# KiCad board EBAZ4205.kicad_pcb (continued)
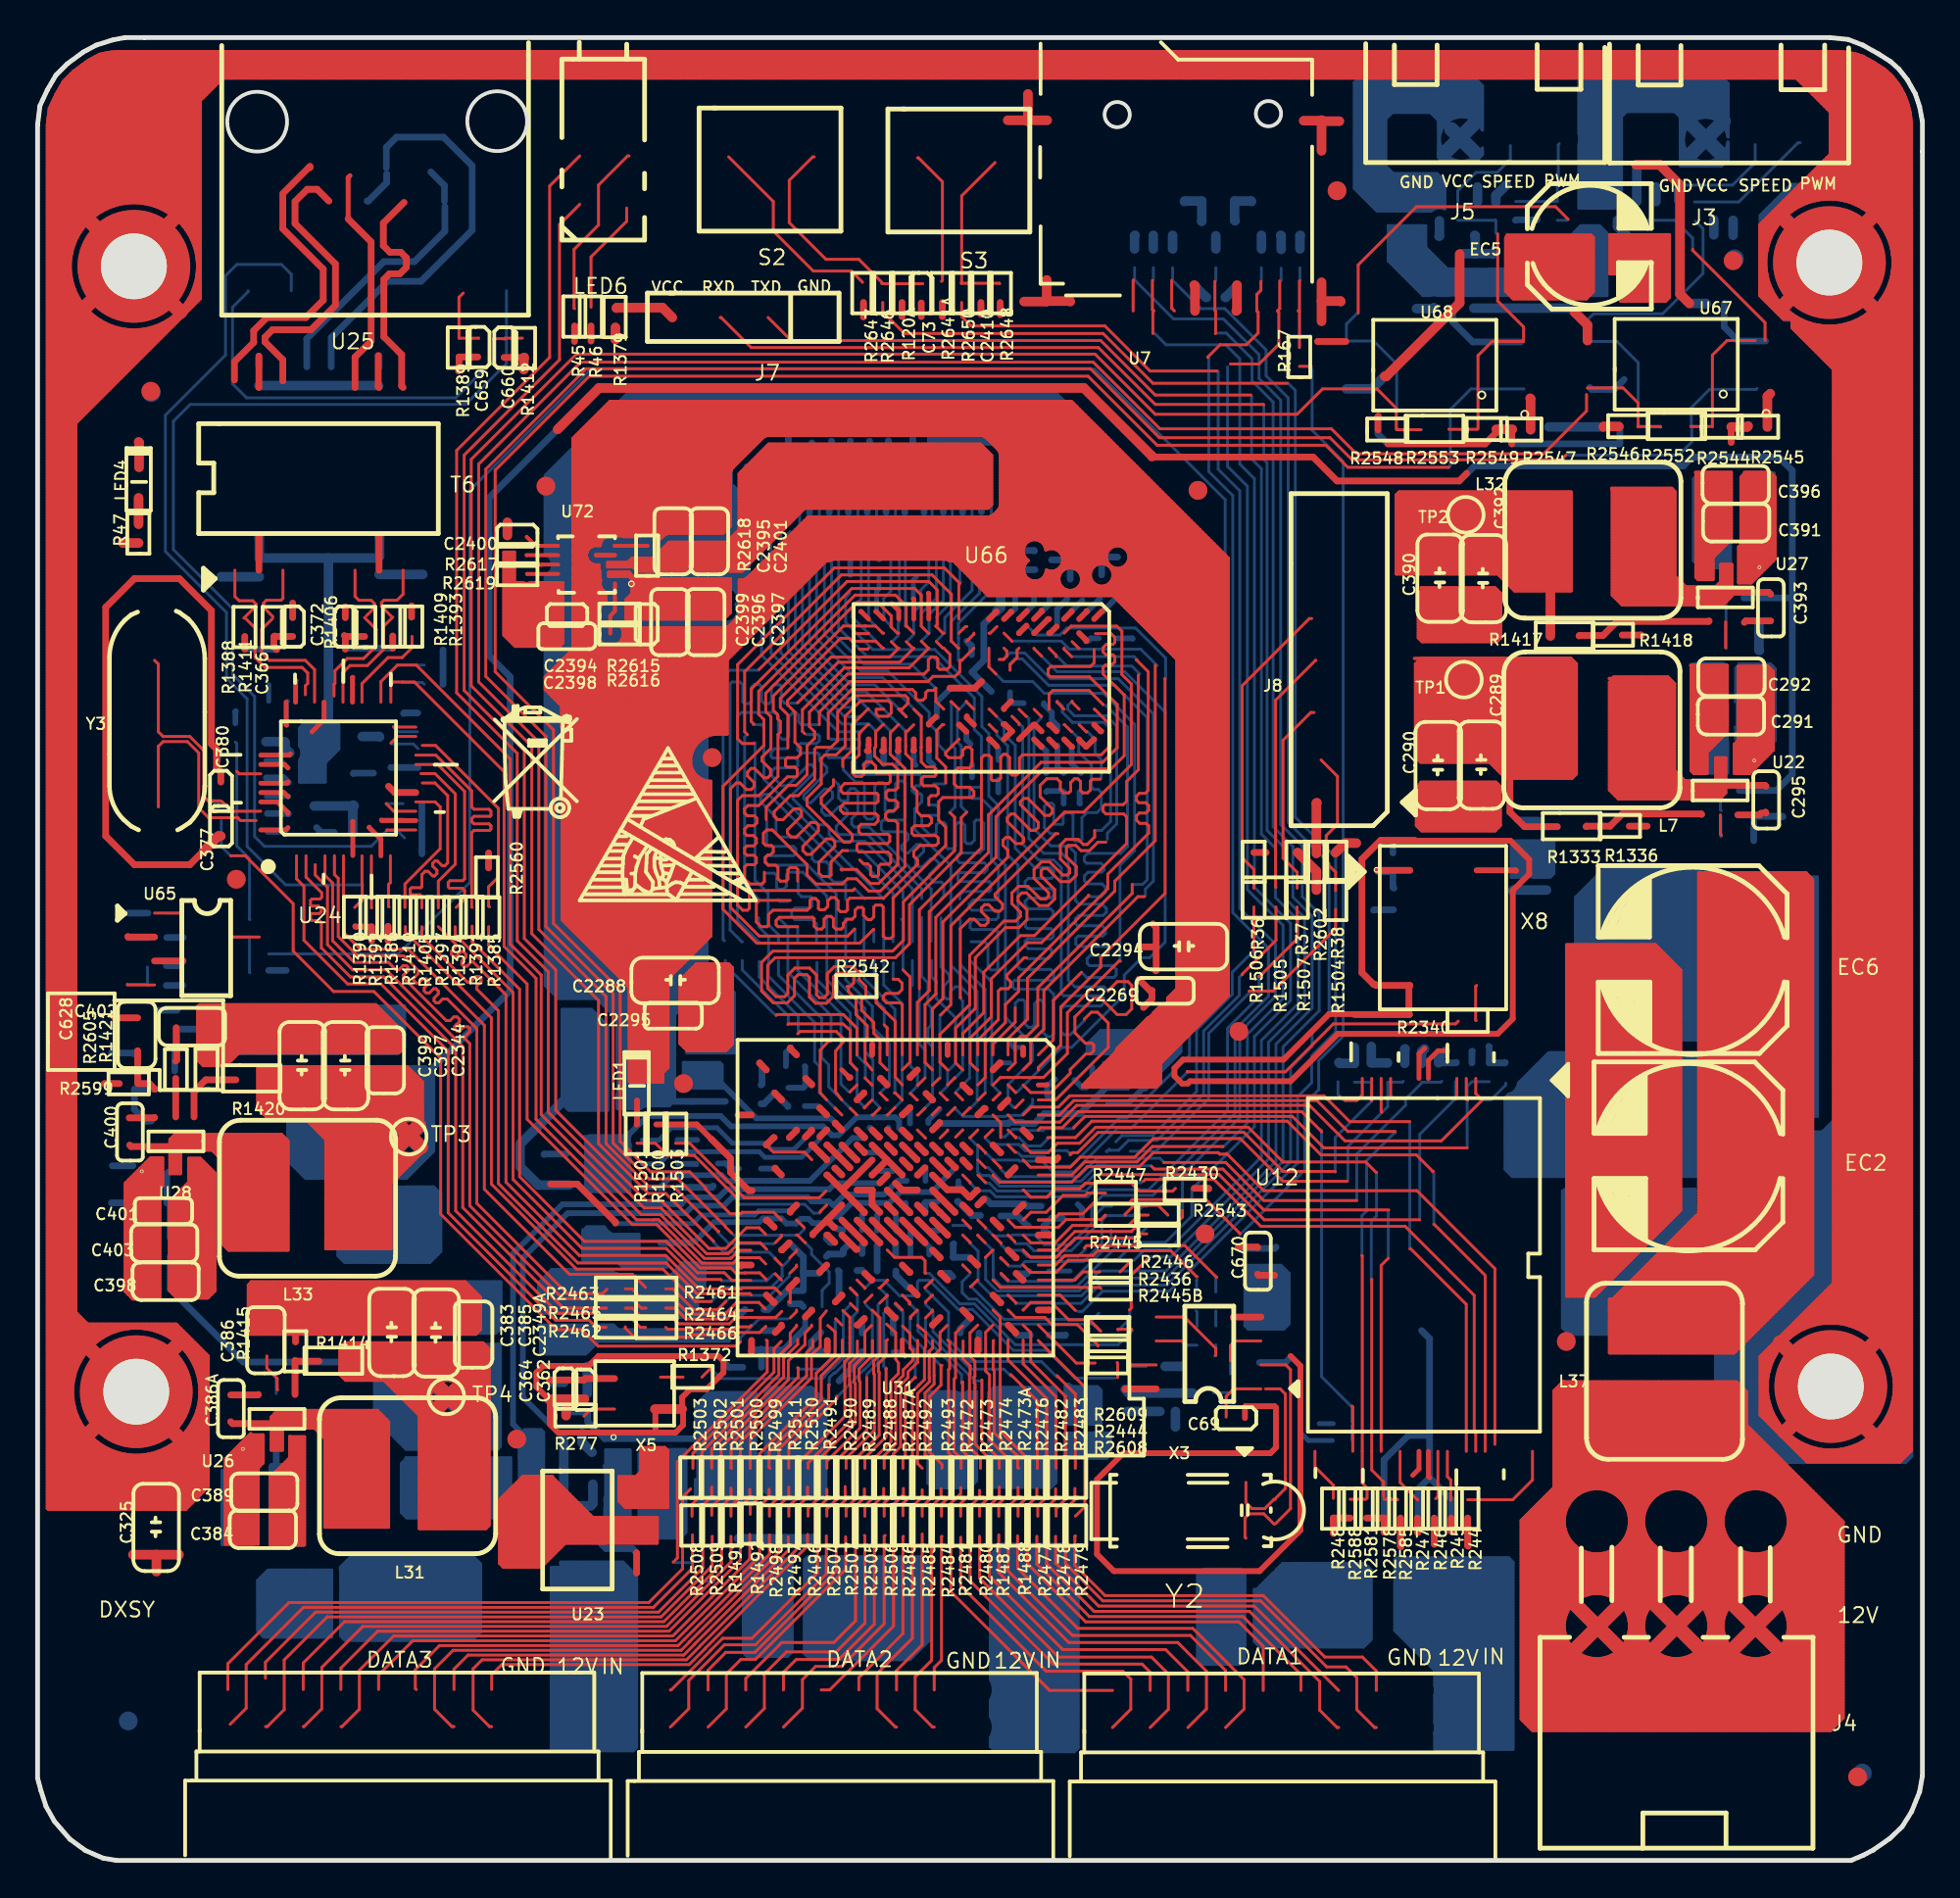
[diagram p0: board, top side]
## Routing (per net, layer and track width the routed paths; a pad name or vN(x,y) marks a point on that pad's centre or on a via; arc(x,y) is an arc through that point) (continued)
; 84.5,75.71 89.81,75.71 ; 71.98,75.77 71.98,78.72 ; 67.51,15.51 79.62,15.51 ; 36.67,88.97 36.67,89.7 ; 46.2,9.86 46.2,26.46 ; 48.52,26.31 57.71,26.31 ; 36.04,24.8 36.04,25.87 ; 36.8,88.74 36.8,89.7 ; 15.59,76.56 15.59,87.4 ; 34.68,81.94 35.42,81.94 ; 54.2,62.09 54.2,63.68 ; 53.94,65.97 53.94,68.83 ; 35.28,89.56 35.28,96.12 ; 26.86,19.58 33.02,19.58 ; 19.02,8.78 19.28,8.78 ; 59.66,0.53 59.66,6.27 ; 44.17,7.9 44.17,8.27 ; 18.77,88.75 18.77,89.2 ; 46.83,32.93 46.83,34.33 ; 83.92,37.6 83.92,52.3 ; 51.91,24.16 51.91,24.54 ; 9.24,56.73 9.24,70.75 ; 47.58,56.54 67.18,56.54 ; 15.06,7.01 15.22,7.01 ; 24.35,0.54 24.35,6.22 ; 43.28,54.1 43.28,61.02 ; 2.9,44.34 35.12,44.34 ; 17.88,90.73 17.88,96.32 ; 6.45,29.37 6.45,40.71 ; 9.62,9.88 9.62,18.37 ; 13.65,56.41 18.19,56.41 ; 60.1,9.29 60.32,9.29 ; 44.55,38.8 44.55,39.77 ; 41.24,40.15 41.24,60.28 ; 21.31,89.19 21.31,89.5 ; 42.14,12.59 42.3,12.59 ; 41.37,83.05 41.37,87.31 ; 13.3,18.21 13.3,19.46 ; 71.09,40.83 71.09,50.18 ; 25.88,93.79 25.88,96.32 ; 44.67,36.44 44.67,38.13 ; 54.83,68.58 54.83,94.06 ; 57.06,61.36 67.15,61.36 ; 61.83,7.77 62.6,7.77 ; 60.8,34.97 60.8,41.87 ; 72.11,6.75 72.37,6.75 ; 50.01,36.27 50.01,38.37 ; 34.11,16.15 60.11,16.15 ; 62.58,27.25 62.58,30.69 ; 58.13,9.04 58.28,9.04 ; 47.34,61.09 47.34,64.66 ; 68.63,70.76 70.02,70.76 ; 42.13,25.57 42.13,28.59 ; 34.58,67.71 34.92,67.71 ; 45.82,36.41 45.82,37.35 ; 24.89,9.67 25.44,9.67 ; 71.98,35.01 71.98,38.52 ; 71.47,36.95 71.47,39.44 ; 65.33,46.88 93.15,46.88 ; 44.39,28.85 46.06,28.85 ; 13.72,58.19 18.41,58.19 ; 69.95,7.67 69.95,8.46 ; 58.62,52.09 86.4,52.09 ; 38.04,6.24 39.34,6.24 ; 21.02,8.78 21.29,8.78 ; 17.62,15.86 17.62,51.74 ; 27.11,19.71 33,19.71 ; 56.89,61.87 67.3,61.87 ; 71.09,59.61 71.09,60.59 ; 51.46,32.41 55.47,32.41 ; 4.85,76.73 70.98,76.73 ; 2.89,46.5 4.4,46.5 ; 77.06,43.68 77.06,60.49 ; 43.44,13.74 66.25,13.74 ; 59.89,47.39 63.79,47.39 ; 33.75,10 33.75,15.49 ; 43.02,7.73 43.02,8.44 ; 66.37,92.6 69.88,92.6 ; 66.9,0.53 66.9,6.21 ; 72.99,9.94 72.99,32.16 ; 43.4,65.64 43.4,72.12 ; 89.5,60.03 89.5,64.32 ; 45.75,8.15 47.67,8.15 ; 18.89,9.65 18.89,13.99 ; 62.71,31.44 62.71,35.66 ; 61.1,17.42 65.58,17.42 ; 47.59,41.79 47.59,55.82 ; 89.48,70.51 93.09,70.51 ; 22.53,25.17 23.04,25.17 ; 41.81,8.02 43.59,8.02 ; 12.42,0.55 12.42,6.24 ; 82.52,36.23 82.52,50.66 ; 1.89,6.37 9.59,6.37 ; 43.47,40.66 44.48,40.66 ; 51.66,62.07 51.66,62.97 ; 61.12,19.83 65.68,19.83 ; 51.4,31.62 51.4,31.71 ; 22.83,24.37 22.83,24.59 ; 67.41,86.84 67.41,95.88 ; 27.09,7.26 27.26,7.26 ; 55.98,65.27 55.98,93.94 ; 23.97,94.38 23.97,96.32 ; 57.12,46.64 57.12,53.87 ; 16.23,10.02 16.23,64.11 ; 87.69,52.34 93.14,52.34 ; 38.17,7.89 39.21,7.89 ; 3.4,1.77 3.4,17.48 ; 42.6,6.88 42.8,6.88 ; 32.4,88.03 34.08,88.03 ; 19.53,0.54 19.53,6.44 ; 36.21,38.25 38.88,38.25 ; 24.86,9.71 24.86,82.63 ; 2.84,62.5 19.1,62.5 ; 50.52,72.69 50.52,74.53 ; 25.5,7.76 25.5,8.46 ; 48.37,41.04 48.51,41.04 ; 71.41,50.82 82.41,50.82 ; 52.45,23.77 79.59,23.77 ; 12.67,26.04 12.67,64.06 ; 74.03,9.55 74.47,9.55 ; 61.94,6.5 62.49,6.5 ; 55.31,63.77 58.15,63.77 ; 46.51,72.54 46.78,72.54 ; 18.92,54.63 53.91,54.63 ; 58.39,84.51 58.39,86.11 ; 75.46,17.17 79.62,17.17 ; 47.51,29.99 51.83,29.99 ; 19.02,7.44 19.02,8.78 ; 44.34,37.87 45.26,37.87 ; 55.34,61.96 55.34,63.82 ; 13.81,84.42 13.81,89.45 ; 53.63,87.14 61.57,87.14 ; 48.6,43.07 69.74,43.07 ; 50.64,41.18 50.64,59.98 ; 75.48,74.06 75.74,74.06 ; 10.12,27.45 26.7,27.45 ; 22.07,89.15 22.07,96.32 ; 43.55,39.77 43.78,39.77 43.78,38.75 ; 12.92,17.95 12.92,19.59 ; 68.01,9.55 68.45,9.55 ; 41.21,72.03 41.91,72.03 ; 70.84,7.91 70.84,8.21 ; 91.66,45.2 91.66,76.15 ; 10.94,8.66 11.32,8.66 ; 16.19,88.92 16.82,88.92 ; 60.93,42.31 60.93,87.92 ; 51.25,42.06 60.79,42.06 ; 49.12,0.53 49.12,6.39 ; 76.77,62.5 88,62.5 ; 39.85,72.71 39.85,74.48 ; 36.59,7.26 36.77,7.26 ; 21.94,64.57 21.94,82.98 ; 49.9,39.77 50.12,39.77 ; 42.77,74.97 42.77,86.74 ; 66.14,93.68 66.14,95.75 ; 48.42,9.67 49.01,9.67 ; 53.18,38.65 53.18,59.01 ; 26.64,0.54 26.64,6.32 ; 14.56,9.93 15.72,9.93 ; 43.84,51.58 55.59,51.58 ; 45.86,34.18 46.94,34.18 ; 37.05,66.57 37.05,67.11 ; 12.54,0.55 12.54,6.29 ; 3.91,29.37 3.91,41.18 ; 73.5,72.57 73.5,82.23 ; 12.16,0.55 12.16,6.2 ; 15.21,89.21 15.21,89.53 ; 70.96,50.94 70.96,52.47 ; 65.37,86.8 65.37,92.03 ; 68.93,7.95 68.93,8.17 ; 67.85,7.77 68.62,7.77 ; 14.19,20.06 14.19,70.75 ; 51.35,66.7 52.31,66.7 ; 51.79,33.19 51.79,37.41 ; 49.36,25.8 49.93,25.8 ; 71.41,69.36 72.21,69.36 ; 70.75,72.41 72.09,72.41 ; 28.8,81.17 28.8,87.22 ; 9.88,0.55 9.88,6.23 ; 42.39,75.12 42.39,86.73 ; 36.68,24.02 51.74,24.02 ; 19.02,9.42 19.02,14.36 ; 75.03,17.82 75.03,42.71 ; 71.47,17.83 71.47,36.3 ; 7.08,43.46 7.08,78.95 ; 50.71,36.34 56.14,36.34 ; 60.55,34.71 60.55,83.76 ; 50.64,63.31 50.64,66.38 ; 34.13,88.56 34.13,96.24 ; 50.26,25.97 50.26,31.75 ; 54.58,37.81 54.58,54.37 ; 2.83,65.93 25.46,65.93 ; 54.71,66.73 54.71,67.89 ; 65.36,84.35 65.82,84.35 ; 13.3,58.54 13.3,60.04 ; 2.86,57.55 41.96,57.55 ; 9.37,9.64 9.37,18.11 ; 14.96,76.56 14.96,87.56 ; 70.05,7.51 70.42,7.51 ; 49.59,72.41 49.86,72.41 ; 71.2,31.26 79.56,31.26 ; 79.73,33.48 79.73,79.49 ; 10.64,61.56 10.64,64.41 ; 73.77,17.67 74.9,17.67 ; 24.98,8.66 25.35,8.66 ; 47.47,40.36 47.47,40.56 ; 36.04,45.7 36.04,67.34 ; 70.41,43.07 72.4,43.07 ; 88.4,63.77 93.11,63.77 ; 69.44,7.98 69.44,8.15 ; 3.9,41.17 5.87,41.17 ; 40.36,0.54 40.36,6.45 ; 71.6,79.38 71.6,87.63 ; 66.31,18.31 79.61,18.31 ; 73.5,28.56 73.5,33.71 ; 19.07,7.01 19.23,7.01 ; 34.6,7.01 34.76,7.01 ; 87.76,48.79 93.15,48.79 ; 48.99,25.8 48.99,34.09 ; 45.69,41.23 45.69,46.54 ; 86.33,39.97 86.33,78.15 ; 59.28,32.23 59.28,36.56 ; 59.02,32.34 59.02,35.75 ; 56.87,7.94 56.87,8.18 ; 66.26,30.81 66.26,78.31 ; 73.5,70.49 73.5,70.74 ; 75.53,7.96 75.53,8.17 ; 61.95,0.53 61.95,6.51 ; 40.86,60.37 40.86,72.07 ; 14.75,59.71 18.48,59.71 ; 49.88,36.42 49.88,36.62 ; 59.7,49.68 86.41,49.68 ; 21.32,74.95 38.68,74.95 ; 68.17,72.42 68.17,79.51 ; 28.42,10 28.42,27.15 ; 71.86,40.03 86.39,40.03 ; 13.54,47.14 44.13,47.14 ; 62.09,7.39 62.34,7.39 ; 56.92,57.42 93.12,57.42 ; 34.26,0.54 34.26,6.38 ; 68.17,64.82 68.17,65.51 ; 90.14,64.79 93.1,64.79 ; 50.76,36.72 50.89,36.72 ; 55.34,39.37 55.34,44.61 ; 30.83,88.82 30.83,90.06 ; 43.15,58.48 43.15,61.12 ; 87.81,50.95 93.14,50.95 ; 61.31,88.03 71.2,88.03 ; 73.76,82.7 76.52,82.7 ; 17.27,89.56 17.81,89.56 ; 71.22,57.23 71.22,58.16 ; 2.92,37.74 19.36,37.74 ; 38.61,7.13 38.76,7.13 ; 21.32,72.41 38.66,72.41 ; 4.41,46.78 4.41,49.1 ; 18.64,59.83 18.64,60.11 ; 56.23,51.62 56.23,54.43 ; 54.62,54.88 55.86,54.88 ; 63.04,84.09 64.71,84.09 ; 9.29,89.81 13.59,89.81 ; 48.72,57.3 56.25,57.3 ; 24.23,84.13 24.23,90.72 ; 1.89,5.48 79.66,5.48 ; 2.84,61.74 40.07,61.74 ; 35.53,45.49 35.53,67.38 ; 57.12,38.55 57.12,43.82 ; 42.26,90.95 45.9,90.95 ; 1.91,9.04 9.2,9.04 ; 43.99,65.3 45.26,65.3 ; 18,55.63 18,70.1 ; 52.48,7.64 56.46,7.64 ; 75.92,72.47 75.92,73.46 ; 42.26,72.73 42.26,74.46 ; 58.52,9.67 58.52,27.99 ; 51.91,62.08 51.91,62.99 ; 9.11,76.56 9.11,80.97 ; 61.98,8.53 62.45,8.53 ; 49.37,60.47 49.37,61.26 ; 30.32,33.82 30.32,96.32 ; 40.36,9.72 40.36,25.84 ; 75.41,72.2 75.41,73.9 ; 78.68,75.08 81.05,75.08 ; 54.2,64.47 54.2,65.28 ; 71.5,58.95 93.12,58.95 ; 74.63,36.85 83.15,36.85 ; 39.59,38.49 39.59,40.71 ; 84.17,37.85 84.17,52.42 ; 39.97,29.32 39.97,30.93 ; 48.48,72.67 48.48,74.53 ; 55.3,39.39 72.64,39.39 ; 72.61,9.73 72.61,38.65 ; 32.99,7.72 32.99,8.45 ; 16.35,0.55 16.35,6.22 ; 71.47,64.14 71.47,66.19 ; 70.33,64.79 70.33,65.54 ; 41.12,75.19 41.12,81.25 ; 2.94,31.52 38.89,31.52 ; 68.85,61.87 69.8,61.87 ; 43.4,13.12 43.4,13.42 ; 55.23,68.47 56.23,68.47 ; 21.32,71.78 67.19,71.78 ; 58.21,92.35 64.79,92.35 ; 34.51,82.69 34.51,87.12 ; 59.53,81.62 59.53,83.77 ; 48.12,62.63 48.23,62.63 ; 2.95,29.87 35.47,29.87 ; 58.39,93.06 58.39,93.93 ; 38.58,52.96 38.58,55.06 ; 21.31,7.49 21.31,8.74 ; 55.62,29.23 57.79,29.23 ; 89.77,72.16 93.08,72.16 ; 9.28,88.16 14.56,88.16 ; 71.23,50.95 82.39,50.95 ; 52.29,24.11 52.29,24.27 ; 51.4,61.01 51.4,63.16 ; 41.63,60.84 41.63,81.22 ; 13.11,25.8 22.85,25.8 ; 15.34,90.44 15.66,90.44 ; 36.55,24.85 36.55,29.36 ; 72.23,72.71 72.23,75.31 ; 29.53,87.52 30.79,87.52 ; 40.49,9.55 40.9,9.55 ; 46.94,88.41 51.18,88.41 ; 18.77,91 18.77,96.32 ; 46.43,64.54 46.87,64.54 ; 56.36,60.41 56.36,61.33 ; 41.88,60.73 43.45,60.73 ; 2.91,42.69 50.91,42.69 ; 46.58,30 46.58,30.15 ; 62.92,27.2 79.58,27.2 ; 64.61,7.77 64.61,8.35 ; 43.91,0.54 43.91,6.2 ; 19.4,39.28 19.4,39.51 ; 58.26,32.34 58.26,37.47 ; 58.13,7.01 58.28,7.01 ; 22.45,9.98 22.45,24.08 ; 63.83,79.52 67.38,79.52 ; 1.89,5.86 79.66,5.86 ; 42.41,9.67 42.99,9.67 ; 57.98,9.55 58.42,9.55 ; 69.95,9.64 69.95,23.78 ; 17.5,15.82 17.5,51.6 ; 66.52,79.02 66.52,86.36 ; 18.39,8.02 19.91,8.02 ; 88.96,73.43 93.08,73.43 ; 56.99,66.7 67.18,66.7 ; 38.58,63.75 38.58,81.25 ; 14.45,60.44 14.45,70.75 ; 62.12,7.26 62.31,7.26 ; 3.2,75.08 8.27,75.08 ; 74.55,33.55 79.79,33.55 ; 32.84,20.72 32.98,20.72 ; 39.72,72.59 39.72,74.63 ; 52.93,61.15 52.93,65.42 ; 36.93,82.82 38.27,82.82 ; 53.06,23.36 53.06,24.16 ; 68.92,58.44 69.73,58.44 ; 71.47,61.11 73.53,61.11 ; 9.88,53.6 9.88,70.75 ; 14.24,19.83 25.67,19.83 ; 23.85,9.97 23.85,23.8 ; 49.5,60.46 49.5,61.27 ; 59.41,64.01 59.41,80.89 ; 24.61,81.17 24.61,82.69 ; 7.46,46.87 7.46,50.07 ; 62.85,83.71 64.9,83.71 ; 44.29,26.06 44.78,26.06 ; 41.18,33.68 47.67,33.68 ; 56.99,60.13 56.99,61.26 ; 57.77,38.25 62.77,38.25 ; 1.95,16.53 31.51,16.53 ; 47.72,66.02 47.72,90.23 ; 73.55,9.93 74.94,9.93 ; 13.56,76.56 13.56,82.62 ; 49.22,41.68 53.61,41.68 ; 22.96,25.12 22.96,25.72 ; 10.86,9.67 11.4,9.67 ; 44.93,36.46 44.93,38.13 ; 44.4,25.42 46.45,25.42 46.45,9.63 ; 43.86,88.67 44.24,88.67 ; 40.1,29.31 40.1,30.94 ; 89.89,43.46 89.89,54.3 ; 52.34,23.52 52.52,23.52 ; 44.37,28.72 46.1,28.72 ; 68.15,7.13 68.31,7.13 ; 71.6,7.93 71.6,8.19 ; 88.78,59.58 88.87,59.58 ; 60.8,27.85 60.8,34.23 ; 37.56,27.96 37.56,34.58 ; 26.77,27.57 26.77,64.68 ; 38.96,52.85 38.96,55.05 ; 36.45,31.26 38.81,31.26 ; 57.5,32.31 57.5,37.88 ; 44.52,72.41 44.76,72.41 ; 51.02,31.55 51.02,31.75 ; 66.42,92.73 69.88,92.73 ; 26.6,65.93 44.28,65.93 ; 31.85,0.54 31.85,15.98 ; 4.86,47.01 13.08,47.01 ; 43.23,58.31 67.31,58.31 ; 71.42,64.28 89.54,64.28 ; 78.46,55.66 78.46,75.01 ; 19.78,40.71 19.78,62.56 ; 21.32,76.47 27.42,76.47 ; 10.12,18.94 65.45,18.94 ; 57.86,44.09 90.53,44.09 ; 64.36,0.53 64.36,6.74 ; 41.85,81.3 58.96,81.3 ; 73.83,17.55 74.86,17.55 ; 88.64,63.65 93.11,63.65 ; 55.29,37.87 56.56,37.87 ; 61.56,42.06 88.46,42.06 ; 50.52,38.88 51.11,38.88 ; 43.91,42.03 43.91,52.93 ; 16.96,55.65 18.01,55.65 ; 26.39,8.03 26.39,8.2 ; 59.72,8.28 60.7,8.28 ; 84.04,53.02 84.04,75.1 ; 2.94,31.01 8.35,31.01 ; 42.13,40.28 42.13,43.24 ; 57.79,44.22 90.66,44.22 ; 9.29,93.75 10.25,93.75 ; 43.15,51.95 43.15,53.36 ; 66.14,78.78 66.14,83.68 ; 48.19,39.64 50.33,39.64 ; 44.29,34.76 44.29,37.41 ; 49.08,37.36 50.22,37.36 ; 42.83,28.72 43.63,28.72 ; 50,28.98 54.92,28.98 ; 73.63,7.92 73.63,8.21 ; 44.52,74.95 44.78,74.95 ; 45.52,74.95 45.81,74.95 ; 62.45,36.12 62.45,79.05 ; 32.48,0.54 32.48,20.67 ; 37.94,73.61 37.94,95.84 ; 36.56,7.39 36.8,7.39 ; 47.31,46.5 56.65,46.5 ; 2.95,30.12 8.38,30.12 ; 29.65,80.54 78.68,80.54 ; 25.37,7.59 25.37,8.63 ; 88.23,70.93 88.23,71.46 ; 36.55,67.56 36.55,81.22 ; 68.55,72.3 68.55,95.99 ; 14.7,76.56 14.7,87.81 ; 76.18,7.01 79.65,7.01 ; 87.69,49.42 93.14,49.42 ; 33.68,19.45 59.87,19.45 ; 78.84,75.46 83.81,75.46 ; 58.14,38.24 58.14,51.57 ; 50.39,9.72 50.39,25.21 ; 39.61,40.91 42.81,40.91 ; 43.64,89.05 44.48,89.05 ; 76.17,9.18 76.17,37.54 ; 70.96,59.68 70.96,60.52 ; 18.83,58.57 42.66,58.57 ; 59.66,20.77 59.66,36.86 ; 59.41,81.66 59.41,83.71 ; 63.76,9.8 64.67,9.8 ; 17.38,90.44 17.7,90.44 ; 10.26,58.17 10.26,60.91 ; 13.69,55.13 13.69,56.47 ; 45.18,38.6 45.18,39.88 ; 43.43,72.16 43.84,72.16 ; 87.22,40.84 87.22,48.72 ; 32.36,88.41 34.1,88.41 ; 76.48,62.12 88.04,62.12 ; 10.64,76.56 10.64,82.81 ; 48.36,61.96 48.36,62.06 ; 72.87,69.65 72.87,70.02 ; 29.09,89.05 31.24,89.05 ; 56.48,66.86 56.48,68.06 ; 57.37,69.76 57.37,91.98 ; 49.79,61.62 51.42,61.62 ; 75.53,9.93 75.53,17.23 ; 68.99,56.15 69.65,56.15 ; 11.37,64.66 12.39,64.66 ; 48.34,39.01 54.76,39.01 ; 42.61,8.91 42.79,8.91 ; 69.69,64.19 69.69,66.15 ; 66.07,9.42 66.38,9.42 ; 69,68.85 69.65,68.85 ; 53.5,87.02 61.63,87.02 ; 38.43,59.2 39.53,59.2 ; 42.01,57.72 42.01,59.34 ; 40.36,32.24 40.36,32.75 ; 43.15,75.19 43.15,86.87 ; 49.37,33.95 49.37,34.17 ; 42.86,24.91 51.64,24.91 ; 9.51,56.41 13,56.41 ; 1.93,14.37 17.34,14.37 ; 77.78,61.62 88.06,61.62 ; 68.99,71.65 69.66,71.65 ; 62.71,9.83 62.71,26.48 ; 19.27,64.65 19.27,70.75 ; 75.41,40.94 75.41,60.51 ; 50.84,36.09 58.46,36.09 ; 83.8,50.82 84.35,50.82 ; 92.81,46.32 92.81,75.02 ; 57.12,32.27 57.12,37.49 ; 39.59,8.02 39.59,8.15 ; 53.07,38.12 53.58,38.12 ; 36.32,8.4 37.05,8.4 ; 58.52,29.1 79.57,29.1 ; 39.97,44.89 39.97,50.71 ; 75.5,17.8 79.61,17.8 ; 89.25,60.24 89.25,61.54 ; 22.93,7.64 23.39,7.64 ; 43.78,65.65 43.78,72.23 ; 89.38,54.9 89.38,59.54 ; 9.3,94.89 47,94.89 ; 29.43,33.83 29.43,40.05 ; 2.83,64.41 10.64,64.41 ; 62.45,80.35 62.45,80.95 ; 60.09,8.78 60.32,8.78 ; 88.97,73.3 93.08,73.3 ; 85.72,50.82 86.36,50.82 ; 5.3,0.55 5.3,17.49 ; 23.08,0.54 23.08,7.05 ; 89.31,60.22 93.11,60.22 ; 45.94,27.19 45.94,29.39 ; 9.29,90.95 10.72,90.95 ; 8.35,34.78 8.35,70.75 ; 40.4,6.5 40.99,6.5 ; 68.84,72.03 69.81,72.03 ; 59.62,6.24 60.8,6.24 ; 46.18,47.77 52.35,47.77 ; 18.77,40.78 18.77,54.48 ; 36.55,7.44 36.55,8.74 ; 43.28,52.06 43.28,53.4 ; 67.53,79.84 67.53,83.98 ; 60.85,94.51 69.87,94.51 ; 47.72,40.35 47.72,40.6 ; 19.81,13.99 42.07,13.99 ; 13.14,25.67 23.13,25.67 ; 89.94,54.38 93.13,54.38 ; 87.68,52.98 93.13,52.98 ; 67.53,57.05 67.53,58.08 ; 59.97,8.53 60.44,8.53 ; 12.12,70.63 17.83,70.63 ; 9.28,85.62 73.61,85.62 ; 51.66,28.11 51.66,29.51 ; 45.69,47.56 45.69,59.78 ; 18.26,56.51 18.26,70.06 ; 2.91,42.44 50.83,42.44 ; 21.56,25.52 21.56,64.03 ; 63.5,95.4 69.86,95.4 ; 4.8,70.44 4.8,76.67 ; 36.04,26.58 36.04,29.4 ; 40.1,33.22 40.1,34.11 ; 69.69,61.65 69.69,63.61 ; 85.77,51.84 86.41,51.84 ; 37.99,72.92 88.56,72.92 ; 71.49,58.69 93.12,58.69 ; 45.54,26.18 47.77,26.18 ; 48.23,59.36 48.23,60.68 ; 63.07,81.3 77.91,81.3 ; 73.54,72.28 75.5,72.28 ; 52.41,41.04 53.43,41.04 ; 87.76,51.07 93.14,51.07 ; 56.61,68.82 56.61,92.48 ; 54.83,38.05 54.83,38.79 ; 44.63,7.13 44.78,7.13 ; 88.7,72.92 93.08,72.92 ; 40.99,91.59 40.99,95.52 ; 76.42,63.56 76.42,70.81 ; 48.26,40.53 48.62,40.53 ; 30.58,81.3 30.58,87.92 ; 78.89,52.34 83.63,52.34 ; 39.61,82.7 40.69,82.7 ; 22.39,24.02 22.8,24.02 ; 38.5,60.35 40.69,60.35 ; 36.12,24.66 36.24,24.66 ; 26.77,65.76 26.77,66.1 ; 42.77,40.28 42.95,40.28 ; 70.71,69.88 70.71,70.58 ; 43.4,75.08 43.85,75.08 ; 55.44,61.74 56.37,61.74 ; 24.64,81.05 28.23,81.05 ; 50.26,34.02 50.26,34.86 ; 66.37,93.37 69.88,93.37 ; 70.07,64.68 70.07,65.65 ; 42.01,38.37 43.61,38.37 ; 2.91,42.06 28.46,42.06 ; 2.83,65.81 25.39,65.81 ; 81.6,75.08 84.09,75.08 ; 58.99,48.66 64.41,48.66 ; 42.56,43.84 56.04,43.84 ; 65.88,84.4 65.88,86.21 ; 58.44,32.28 58.78,32.28 ; 10.96,57.81 13.13,57.81 ; 68.8,67.01 68.8,68.39 ; 42.01,9.95 42.01,12.41 ; 72.76,71.27 72.95,71.27 ; 37.79,27.58 60.64,27.58 ; 20.16,76.56 20.16,87.59 ; 45.44,38.03 45.44,38.14 ; 37.75,90.57 40.35,90.57 ; 2.84,62 40.32,62 ; 22.45,8.01 22.45,8.22 ; 38.07,0.54 38.07,6.25 ; 37.31,35.21 37.31,36.76 ; 58.1,9.29 58.31,9.29 ; 51.44,59.2 53.09,59.2 ; 76.3,0.53 76.3,37.6 ; 52.17,28.45 52.17,29.28 ; 45.19,39.9 45.27,39.9 ; 44.8,42.02 44.8,44.17 ; 14.36,83.21 21.81,83.21 ; 62.83,79.66 62.83,80.91 ; 44.87,49.42 86.53,49.42 ; 72.87,39.69 72.87,40.19 ; 60.93,20.84 60.93,22.97 ; 32.27,91.21 35.95,91.21 ; 2.87,52.98 42.43,52.98 ; 51.15,64.32 51.15,65.29 ; 49.54,65.3 50.94,65.3 ; 58.11,7.26 58.3,7.26 ; 45.44,9.96 45.44,25.93 46.41,25.93 ; 24.05,25.8 26.9,25.8 ; 68.08,9.42 68.38,9.42 ; 60.55,7.72 60.55,8.4 ; 66.68,29.23 79.57,29.23 ; 68.62,68.22 70.03,68.22 ; 22.58,88.29 27.93,88.29 ; 39.57,41.04 42.82,41.04 ; 69.69,57.23 69.69,58.55 ; 50.6,8.78 50.84,8.78 ; 61.56,41.93 88.33,41.93 ; 52.34,33.17 53.45,33.17 ; 26,10.01 26,19.58 ; 24.18,24.91 35.6,24.91 ; 1.9,7.77 9.46,7.77 ; 43.66,61.71 43.66,64.1 ; 38.13,73.43 88.2,73.43 ; 15.97,0.55 15.97,6.21 ; 10.94,9.55 11.32,9.55 ; 65.12,93.85 65.12,95.65 ; 2.88,50.95 39.69,50.95 ; 41.37,72.66 41.83,72.66 ; 76.42,38.12 84.45,38.12 ; 46.83,34.62 46.83,36.85 ; 71.43,36.98 74.02,36.98 ; 69.69,40.85 69.69,43.18 ; 51.6,31.9 56.96,31.9 ; 2.82,69.49 52.72,69.49 ; 48.91,62.25 67.79,62.25 ; 59.15,86.82 59.15,93.94 ; 61.68,84.22 62.3,84.22 ; 45.05,7.76 45.05,8.42 ; 27.91,9.99 27.91,26.95 ; 76.04,61.79 76.04,61.95 ; 37.43,7.99 37.43,8.18 ; 43.46,29.36 43.86,29.36 ; 17.35,89.68 17.73,89.68 ; 25.62,0.54 25.62,6.38 ; 26.12,91.71 69.89,91.71 ; 50.68,37.99 50.99,37.99 ; 53.41,69.87 67.86,69.87 ; 51.13,63.52 51.39,63.52 ; 89.97,64.92 93.1,64.92 ; 71.98,0.53 71.98,6.51 ; 64.65,46.63 93.12,46.63 ; 6.57,45.62 6.57,78.44 ; 10.38,0.55 10.38,6.23 ; 88.36,63.78 88.36,69.77 ; 11,9.42 11.26,9.42 ; 72.61,43.56 72.61,68.39 ; 41.88,89.42 41.88,89.87 ; 65.5,19.72 65.5,30.93 ; 45.57,59.71 46.17,59.71 ; 5.18,49.29 5.18,50.31 ; 43.4,14.44 43.4,29.31 ; 64.39,46.88 64.62,46.88 ; 58.26,25.17 79.59,25.17 ; 63.04,27.07 79.58,27.07 ; 38.25,59.08 39.56,59.08 ; 57.93,93.75 64.95,93.75 ; 87.6,53.03 87.6,78.14 ; 22.19,89.08 22.19,96.32 ; 19.89,40.41 29,40.41 ; 39.21,75.18 39.21,81.26 ; 18.13,0.54 18.13,6.2 ; 39.85,51.44 39.85,58.84 ; 70.07,82.71 70.07,89.16 ; 55.36,59.33 67.29,59.33 ; 36.88,46.63 45.24,46.63 ; 49.5,40.42 49.5,55.41 ; 42.01,7.97 42.01,8.2 ; 60.93,17.64 60.93,19.56 ; 44.93,66.73 44.93,72.08 ; 27.53,25.83 27.53,27.11 ; 41.12,29.14 41.12,32.68 ; 40.81,43.84 41.89,43.84 ; 2.89,46.12 36.29,46.12 ; 37.14,25.04 41.76,25.04 ; 47.75,90.32 50.45,90.32 ; 71.47,59.08 71.47,61.12 ; 2.87,54.25 56.51,54.25 ; 28.42,0.54 28.42,6.23 ; 13.62,47.39 44.23,47.39 ; 56.99,66.69 56.99,68.28 ; 46.58,7.42 46.58,8.75 ; 51.36,42.82 72.68,42.82 ; 10,53.78 10,70.75 ; 11.15,84.48 11.15,90.76 ; 69.57,0.53 69.57,6.21 ; 28.93,0.54 28.93,6.58 ; 44.29,88.78 44.29,95.17 ; 31.47,89.08 31.47,89.8 ; 88.36,71.99 88.36,72.24 ; 9.3,94.64 49.42,94.64 ; 2.94,33.55 7.67,33.55 ; 8.1,34.15 8.1,46.45 ; 47.21,33.29 47.21,34.08 ; 36.04,33.83 36.04,38.05 ; 9.27,82.19 32.85,82.19 ; 19.78,62.89 49.86,62.89 ; 41.5,38.89 41.5,39.68 ; 48.23,41.99 48.23,43.08 ; 43.03,52.47 70.96,52.47 ; 18,15.68 18,55.12 ; 12,70.12 17.95,70.12 ; 36.29,24.67 36.29,29.54 ; 1.88,4.47 79.66,4.47 ; 72.45,39.14 72.68,39.14 ; 73.34,32.79 79.56,32.79 ; 57.63,32.23 57.63,37.95 ; 52.04,7.97 52.04,8.2 ; 9.88,76.56 9.88,92.08 ; 47.09,0.53 47.09,6.42 ; 41.63,40.44 41.63,60.06 ; 28.6,9.93 33.31,9.93 ; 37.71,90.95 40.39,90.95 ; 63.38,38.25 75.85,38.25 ; 42.64,40.39 42.64,52.37 ; 45.82,38 45.82,38.17 ; 27.38,27.07 27.56,27.07 ; 50.77,59.53 50.77,59.78 ; 52.04,23.06 52.04,23.4 ; 46.58,37.24 46.58,38.11 ; 76.42,73.68 88.4,73.68 ; 52.29,24.32 52.29,24.62 ; 51.59,31.01 51.75,31.01 ; 53.18,61.21 53.18,63.79 ; 52.67,23.56 52.67,23.9 ; 6.77,78.63 66.11,78.63 ; 50.01,30.69 50.01,31.21 ; 45.06,29.99 45.46,29.99 ; 39.21,82.99 39.21,95.71 ; 46.07,66.07 46.07,71.99 ; 57.86,43.84 90.27,43.84 ; 76.91,71.78 88.2,71.78 ; 73.26,39.01 85.35,39.01 ; 66.02,14.88 66.25,14.88 ; 40.61,61.99 40.61,81.68 ; 88.36,60.23 88.36,61.49 ; 82.65,52.01 82.65,78.17 ; 15.23,89.56 15.77,89.56 ; 43.75,8.15 45.67,8.15 ; 41.5,91.64 41.5,95.47 ; 61.05,19.71 65.49,19.71 ; 44.07,30.12 44.61,30.12 ; 43.66,8.03 43.66,8.15 ; 41.22,28.85 42.06,28.85 ; 29.64,91.21 30.68,91.21 ; 40.36,34.71 40.36,43 ; 53.18,0.53 53.18,38.23 ; 15.4,90.19 15.59,90.19 ; 48.86,42.04 48.86,45.61 ; 66.26,29.88 66.26,30.02 ; 39.34,41.23 39.34,44.58 ; 56.36,55.2 56.36,57.21 ; 43.53,65.69 43.53,87.14 ; 56.74,66.88 56.74,68.05 ; 42.39,7.72 42.39,8.45 ; 52.17,31.61 52.17,32.52 ; 75.66,63.65 75.66,70.81 ; 41.18,32.79 42.05,32.79 ; 52.42,89.52 52.42,94.32 ; 46.7,30.75 46.95,30.75 ; 19.91,89.2 19.91,89.48 ; 42.51,89.58 42.51,95.36 ; 67.78,9.8 68.69,9.8 ; 45.82,40.42 45.82,40.52 ; 26.64,7.93 26.64,8.3 ; 52.36,38.76 52.61,38.76 ; 46.98,59.2 48,59.2 ; 57.98,47.77 93.15,47.77 ; 58.01,6.62 58.39,6.62 ; 46.53,60.35 49.14,60.35 ; 7.79,43.2 28.21,43.2 ; 40.1,7.93 40.1,8.24 ; 13.52,56.28 18.16,56.28 ; 27.91,0.54 27.91,6.24 ; 27.78,7.97 27.78,8.26 ; 52.93,66.78 52.93,68.33 